# KiCad board panel_4_3.kicad_pcb (continued)
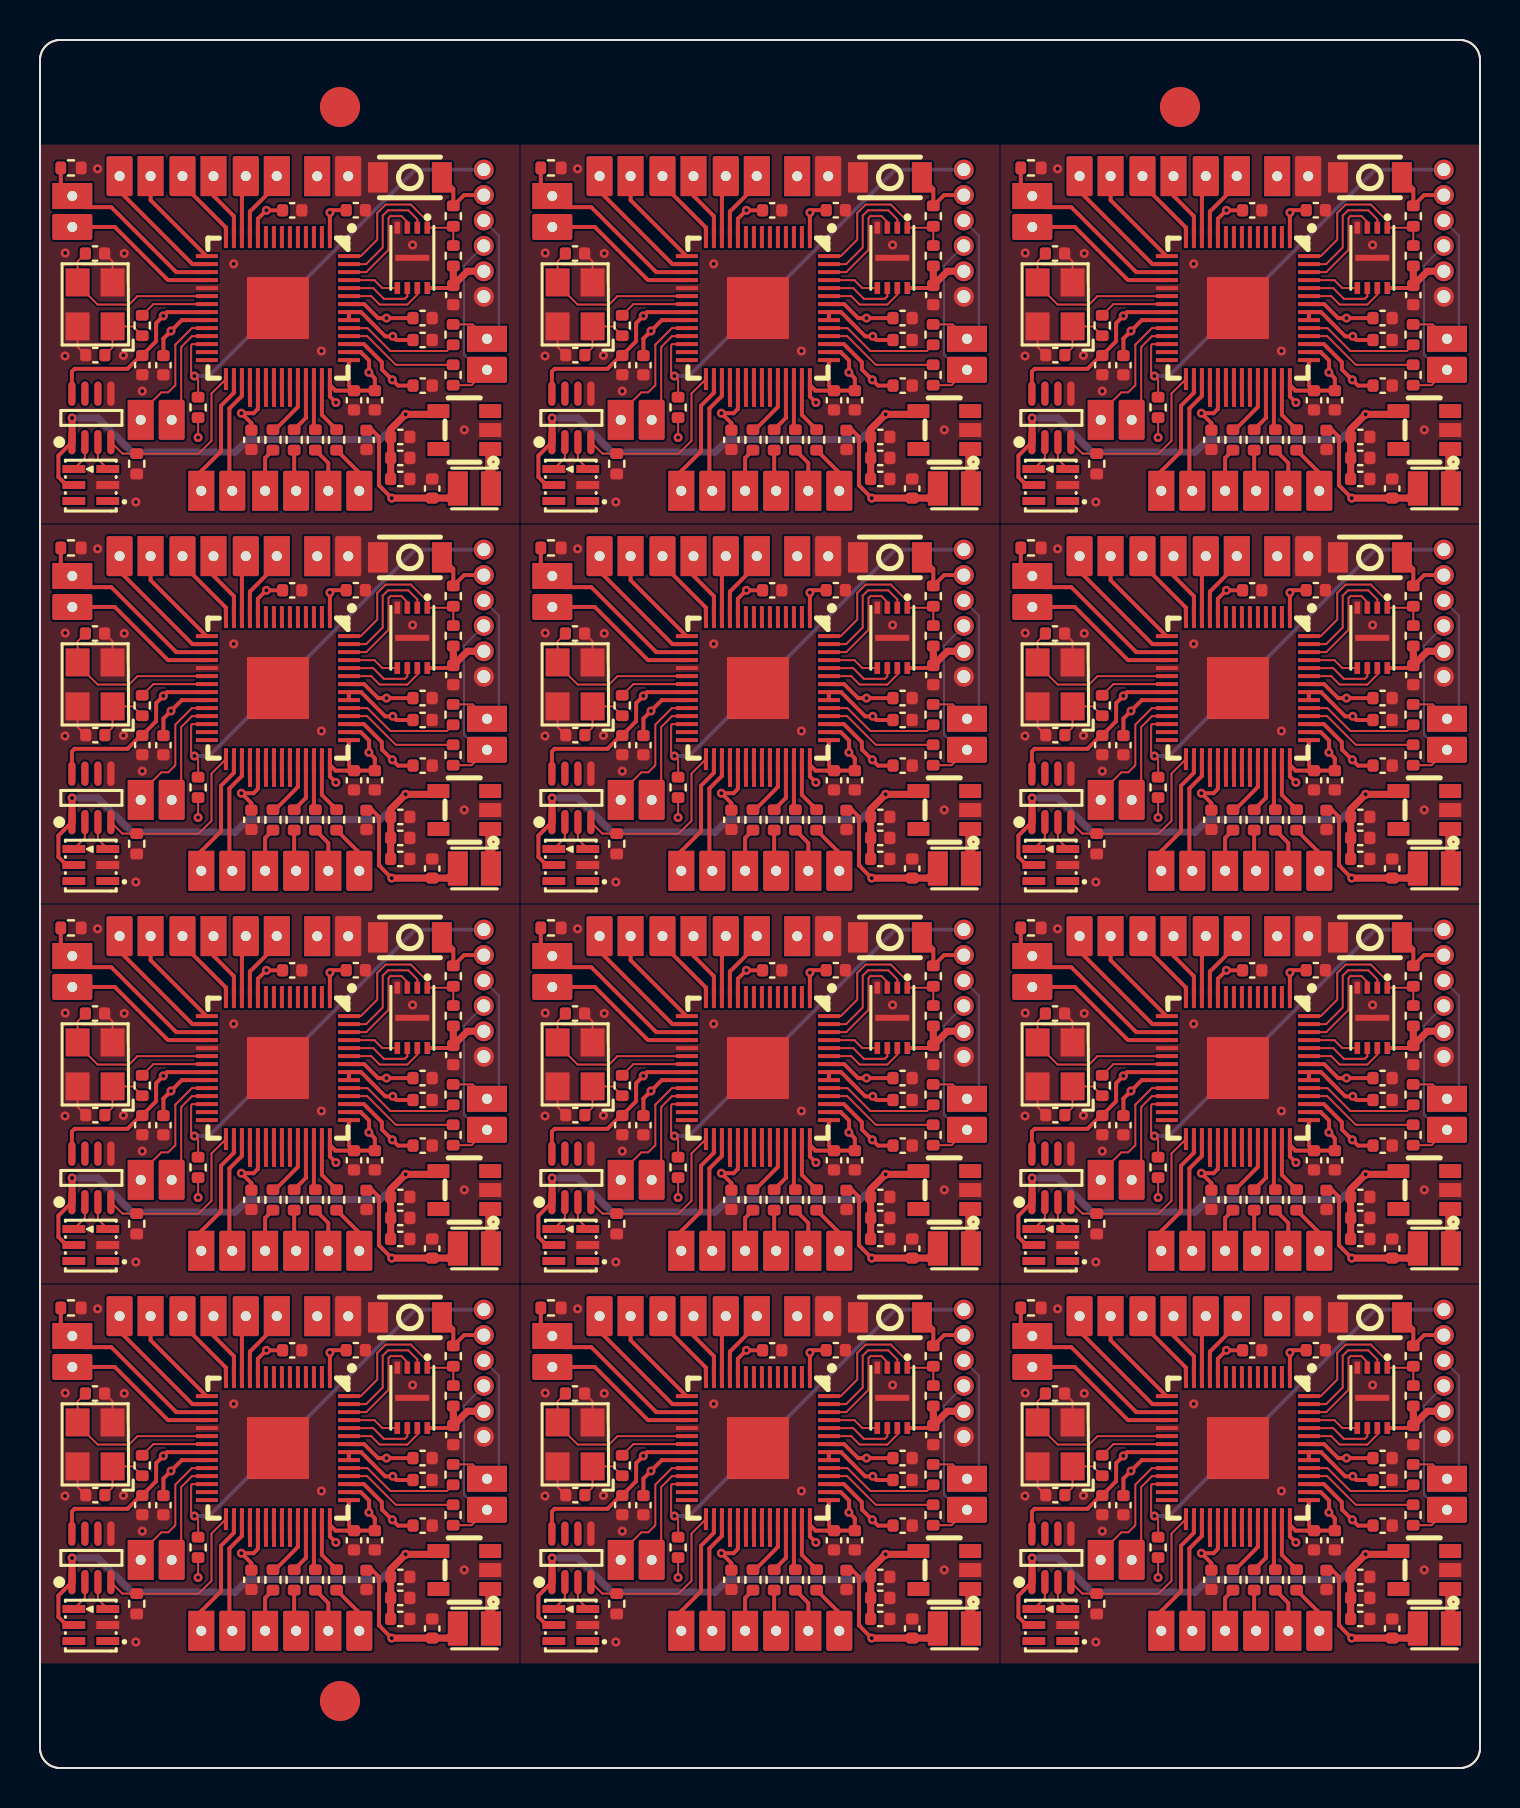
[diagram p0: board, top side]
## Nets (continued)
Board_10-PAD_24: J12#12.5 U1#4.36
Board_10-PAD_25: J12#12.6 U1#4.37
Board_10-QSPI_CS: R5#12.2 R6#10.2 U1#4.56 U2#5.1
Board_10-QSPI_SCK: U1#4.52 U2#5.6
Board_10-QSPI_SD0: U1#4.53 U2#5.5
Board_10-QSPI_SD1: U1#4.55 U2#5.2
Board_10-QSPI_SD2: U1#4.54 U2#5.3
Board_10-QSPI_SD3: U1#4.51 U2#5.7
Board_10-RST: J8#3.1 R2#7.2 U1#4.26
Board_10-unconnected-(LED1-CKO-Pad6): LED1#7.6
Board_10-unconnected-(LED1-SDO-Pad1): LED1#7.1
Board_10-unconnected-(U1-GPIO0-Pad2): U1#4.2
Board_10-unconnected-(U1-GPIO1-Pad3): U1#4.3
Board_10-unconnected-(U1-GPIO2-Pad4): U1#4.4
Board_10-unconnected-(U1-GPIO3-Pad5): U1#4.5
Board_10-unconnected-(U1-GPIO4-Pad6): U1#4.6
Board_10-unconnected-(U1-GPIO5-Pad7): U1#4.7
Board_10-unconnected-(U1-GPIO6-Pad8): U1#4.8
Board_10-unconnected-(U1-GPIO7-Pad9): U1#4.9
Board_10-unconnected-(U1-GPIO16-Pad27): U1#4.27
Board_10-unconnected-(U1-GPIO17-Pad28): U1#4.28
Board_10-unconnected-(U4-NC-Pad3): U4#6.3
Board_10-unconnected-(U4-NC-Pad5): U4#6.5
Board_10-XIN: C3#10.1 U1#4.20 X1#8.3
Board_10-XOUT: R1#8.2 U1#4.21
Board_11-+1V1: C2#10.1 C4#9.1 C5#8.1 U1#12.23 U1#12.45 U1#12.50
Board_11-+3V3: C6#6.2 C7#4.1 C8#3.1 C9#12.1 C10#10.1 C11#12.1 C12#11.1 C13#9.1 C14#12.1 C15#11.1 J1#4.1 J8#2.5 J12#5.2 L1#4.1 R2#12.1 R6#11.1 U1#12.1 U1#12.10 U1#12.22 U1#12.33 U1#12.42 U1#12.43 U1#12.44 U1#12.48 U1#12.49 U2#3.8 U3#5.8
Board_11-+5V: C16#2.1 C17#11.1 C18#3.1 LED1.5 U3#5.1 U4#4.4
Board_11-BOOT: J8#2.2 R5#10.1 SW1#7.1
Board_11-D+: J5#8.1 J8#2.3 R3#4.2
Board_11-D-: J5#8.2 J8#2.4 R4#5.2
Board_11-DBG_CLK: J7#7.1 U1#12.24
Board_11-DBG_DAT: J7#7.2 U1#12.25
Board_11-GND: C1#10.1 C2#10.2 C3#4.2 C4#9.2 C5#8.2 C6#6.1 C7#4.2 C8#3.2 C9#12.2 C10#10.2 C11#12.2 C12#11.2 C13#9.2 C14#12.2 C15#11.2 C16#2.2 C17#11.2 C18#3.2 J1#4.2 J8#2.6 LED1.2 R7#9.1 R12#7.2 SW1#7.2 U1#12.19 U1#12.57 U2#3.4 U2#3.9 U3#5.5 U4#4.2 X1#6.2 X1#6.4
Board_11-LED_CLK: U3#5.7
Board_11-LED_CLK_5V: LED1.4 U3#5.2
Board_11-LED_DATA: U3#5.6
Board_11-LED_DATA_5V: LED1.3 U3#5.3
Board_11-LED_EN: R7#9.2 U1#12.29 U3#5.4
Board_11-Net-(U1-GPIO26_ADC0): R8#2.1 U1#12.38
Board_11-Net-(U1-GPIO27_ADC1): R9.1 U1#12.39
Board_11-Net-(U1-GPIO28_ADC2): R10#10.1 U1#12.40
Board_11-Net-(U1-GPIO29_ADC3): R11#6.1 U1#12.41
Board_11-Net-(U1-USB_DM): R4#5.1 U1#12.46
Board_11-Net-(U1-USB_DP): R3#4.1 U1#12.47
Board_11-Net-(U4-SW): L1#4.2 U4#4.1
Board_11-Net-(X1-OSC1): C1#10.2 R1#10.1 X1#6.1
Board_11-NS_8: J10#12.1 U1#12.11
Board_11-NS_9: J10#12.2 U1#12.12
Board_11-NS_10: J9#4.1 U1#12.13
Board_11-NS_11: J9#4.2 U1#12.14
Board_11-NS_19: J11#3.1 U1#12.30
Board_11-NS_20: J11#3.2 U1#12.31
Board_11-NS_CLK: J3#8.2 R9.2
Board_11-NS_CMD: J4#11.1 R10#10.2
Board_11-NS_CPU: J2.2 U1#12.18
Board_11-NS_CPU_PD: J2.1 R12#7.1 U1#12.17
Board_11-NS_D0: J4#11.2 R11#6.2
Board_11-NS_RST: J3#8.1 R8#2.2
Board_11-NS_SCL: J6#5.2 U1#12.16
Board_11-NS_SDA: J6#5.1 U1#12.15
Board_11-PAD_21: J12#5.1 U1#12.32
Board_11-PAD_22: J12#5.3 U1#12.34
Board_11-PAD_23: J12#5.4 U1#12.35
Board_11-PAD_24: J12#5.5 U1#12.36
Board_11-PAD_25: J12#5.6 U1#12.37
Board_11-QSPI_CS: R5#10.2 R6#11.2 U1#12.56 U2#3.1
Board_11-QSPI_SCK: U1#12.52 U2#3.6
Board_11-QSPI_SD0: U1#12.53 U2#3.5
Board_11-QSPI_SD1: U1#12.55 U2#3.2
Board_11-QSPI_SD2: U1#12.54 U2#3.3
Board_11-QSPI_SD3: U1#12.51 U2#3.7
Board_11-RST: J8#2.1 R2#12.2 U1#12.26
Board_11-unconnected-(LED1-CKO-Pad6): LED1.6
Board_11-unconnected-(LED1-SDO-Pad1): LED1.1
Board_11-unconnected-(U1-GPIO0-Pad2): U1#12.2
Board_11-unconnected-(U1-GPIO1-Pad3): U1#12.3
Board_11-unconnected-(U1-GPIO2-Pad4): U1#12.4
Board_11-unconnected-(U1-GPIO3-Pad5): U1#12.5
Board_11-unconnected-(U1-GPIO4-Pad6): U1#12.6
Board_11-unconnected-(U1-GPIO5-Pad7): U1#12.7
Board_11-unconnected-(U1-GPIO6-Pad8): U1#12.8
Board_11-unconnected-(U1-GPIO7-Pad9): U1#12.9
Board_11-unconnected-(U1-GPIO16-Pad27): U1#12.27
Board_11-unconnected-(U1-GPIO17-Pad28): U1#12.28
Board_11-unconnected-(U4-NC-Pad3): U4#4.3
Board_11-unconnected-(U4-NC-Pad5): U4#4.5
Board_11-XIN: C3#4.1 U1#12.20 X1#6.3
Board_11-XOUT: R1#10.2 U1#12.21

## Via types
v1: diameter 0.45, hole 0.2, Top to Bottom, 312 vias

## Routing (per net, layer and track width the routed paths; a pad name or vN(x,y) marks a point on that pad's centre or on a via; arc(x,y) is an arc through that point)
Board_0-+1V1: length 25.7
  Top w0.2: U1#7.45 16.19,71.2 17.09,70.29 17.09,69.93 17.61,69.41 v1(17.62,69.41) 17.62,69.41 17.9,69.12 C5#12.1 ; U1#7.50 16.21,73.2 16.91,72.5 v1(17.32,72.5) C2.1 ; U1#7.23 7.09,72.4 v1(6.55,71.85) 6.17,71.47 C4#5.1
  In1.Cu w0.358: v1(6.55,71.85) 7.19,72.5 v1(17.32,72.5) 16.98,72.15 16.98,70.78 17.62,70.15 v1(17.62,69.41)
Board_0-+3V3: length 42.3
  Top w0.1: v1(7.91,66.53) R2#8.1
  Top w0.2: C9#8.1 15.44,69.12 U1#7.43 ; U3#8.8 1.59,69.83 1.73,69.96 4.38,69.96 5.04,70.62 ; 14.5,69.16 14.78,68.87 16.74,68.87 16.74,69.49 v1(16.44,69.78) 16.46,69.79 16.46,70.38 16.04,70.8 15.44,70.8 ; v1(14.8,68.28) 14.5,68.58 14.5,69.45 ; U1#7.33 10.89,67.96 10.68,67.74 v1(10.07,67.74) 10.57,67.24 C7#12.1 ; C8#5.1 16.62,66.89 16.95,66.56 16.95,64.13 v1(17.59,63.5) ; C12#5.1 v1(11.32,77.89) 10.89,77.46 U1#7.10 ; 14.5,76.55 v1(14.5,77.77) 14.61,77.89 C11#3.1 ; C10#4.1 17.82,71.4 v1(17.64,71.59) 17.26,71.59 16.05,72.8 15.44,72.8 U1#7.48 ; 20.54,74 U2#2.8 ; 8.34,72.8 6.36,72.8 v1(6.17,72.61) 5.81,72.25 5.81,71.34 5.11,70.65
  Top w0.358: R6#4.1 C14#2.1 21.38,74.84 J8#7.5 ; L1#3.1 20.41,63.5 C15#10.1 v1(17.59,63.5)
Board_0-+5V: length 27.2
  Top w0.2: U3#8.1 0.92,65.62 0.92,64.55 1.32,64.15
  Top w0.358: U3#8.1 1.61,66.3 v1(1.61,67.5) ; C18.1 C17#10.1 C16#5.1 17.53,66.94 v1(18.28,67.69) 19.93,67.69
  Bottom w0.358: v1(18.28,67.69) 17.02,66.43 10.39,66.43 9.75,65.8 4.6,65.8 2.89,67.5 v1(1.61,67.5)
Board_0-BOOT: length 3.4
  Top w0.2: J8#7.2 21.21,78.65 20.66,78.11 20.66,78.96 SW1#6.1
Board_0-D+: length 7.6
  Top w0.1: J5#2.1 21.63,72.18 R3#9.2
  Bottom w0.1: J8#7.3 22.94,76.63 22.94,72.05
Board_0-D-: length 8.9
  Top w0.1: J5#2.2 21.58,69.14 R4.2
  Bottom w0.1: 21.95,69.91 21.2,70.66 21.2,75.12 J8#7.4
Board_0-DBG_CLK: length 6.6
  Top w0.1: J7#9.1 5.03,67.75 6.06,68.78 6.41,68.78 6.77,69.14 6.77,71.17 7.59,72 U1#7.24
Board_0-DBG_DAT: length 5.4
  Top w0.1: J7#9.2 7.06,67.88 7.06,71.05 7.6,71.59 U1#7.25
Board_0-GND: length 3.2
  Top w0.1: X1#11.2 3.63,75.33 C3#7.2 ; X1#11.4 1.88,71.05 C1#3.1
  vias: v1(1.26,75.75) v1(1.25,70.6) v1(2.88,79.96) v1(4.21,75.73) v1(4.17,70.63) v1(4.8,63.3) v1(5.11,68.84) v1(9.69,75.21) v1(14.07,70.85) v1(18.63,76.15) v1(21.21,66.91)
Board_0-LED_CLK_5V: length 1.5
  Top w0.1: LED1#2.4 2.25,65.5 2.25,66.23
Board_0-LED_DATA_5V: length 1.5
  Top w0.1: LED1#2.3 2.89,65.44 2.89,66.23
Board_0-LED_EN: length 8.9
  Top w0.1: U1#7.29 8.58,68.73 8.58,66.36 7.94,65.72 4.12,65.72 U3#8.4
Board_0-Net-(U1-GPIO26_ADC0): length 3.1
  Top w0.2: U1#7.38 12.89,68.06 11.75,66.92 R8#3.1
Board_0-Net-(U1-GPIO27_ADC1): length 2.8
  Top w0.2: R9#3.1 13.3,67.5 U1#7.39
Board_0-Net-(U1-GPIO28_ADC2): length 2.6
  Top w0.2: R10.1 13.69,66.99 U1#7.40
Board_0-Net-(U1-GPIO29_ADC3): length 2.8
  Top w0.2: U1#7.41 14.09,67.65 R11.1
Board_0-Net-(U1-USB_DM): length 5.8
  Top w0.1: U1#7.46 16.36,71.59 17.79,70.16 R4.1
Board_0-Net-(U1-USB_DP): length 5.8
  Top w0.1: R3#9.1 20.35,70.85 17.52,70.85 16.37,72 U1#7.47
Board_0-Net-(U4-SW): length 1.8
  Top w0.5: 22.51,65.78 22.51,64.01
Board_0-Net-(X1-OSC1): length 3.3
  Top w0.1: C1#3.2 3.63,71.03 X1#11.1 4.64,72.08 R1#6.1
Board_0-NS_8: length 3.6
  Top w0.2: J10#10.1 11.84,79.17 10.5,77.82 10.5,76.55
Board_0-NS_9: length 3.1
  Top w0.2: J10#10.2 10.09,79.4 U1#7.12
Board_0-NS_10: length 3.5
  Top w0.2: J9#10.1 8.68,78.61 9.69,77.59 U1#7.13
Board_0-NS_11: length 3.5
  Top w0.2: 7.13,79.18 9.3,77.02 U1#7.14
Board_0-NS_19: length 6.3
  Top w0.2: J11#9.1 8.06,64.85 9.05,65.84 9.05,68.12 9.69,68.76 U1#7.30
Board_0-NS_20: length 5.9
  Top w0.2: U1#7.31 10.09,68.6 9.47,67.98 9.47,64 J11#9.2
Board_0-NS_CLK: length 2.1
  Top w0.2: J3#3.2 12.71,63.96 R9#3.2
Board_0-NS_CMD: length 2.3
  Top w0.2: R10.2 14.42,65.25 J4#8.1
Board_0-NS_CPU: length 7.8
  Top w0.2: U1#7.18 6.39,74.4 3.74,77.05 J2#2.2
Board_0-NS_CPU_PD: length 9.9
  Top w0.2: R12#5.1 1.04,79.18 J2#2.1 2.17,78.05 3.56,78.05 6.81,74.8 U1#7.17
Board_0-NS_D0: length 2.5
  Top w0.2: R11.2 15.97,64.76 J4#8.2
Board_0-NS_RST: length 2.2
  Top w0.2: R8#3.2 11.25,65.5 J3#3.1
Board_0-NS_SCL: length 5.9
  Top w0.2: 8.34,75.2 7.61,75.2 3.98,78.83
Board_0-NS_SDA: length 5.2
  Top w0.2: 8.33,75.59 5.53,78.4 J6#11.1
Board_0-PAD_21: length 1
  Top w0.2: 10.5,69.45 10.5,68.41
Board_0-PAD_22: length 1
  Top w0.2: U1#7.34 11.3,68.41
Board_0-PAD_23: length 1
  Top w0.2: U1#7.35 11.69,68.41
Board_0-PAD_24: length 1
  Top w0.2: U1#7.36 12.09,68.41
Board_0-PAD_25: length 1
  Top w0.2: 12.5,69.45 12.5,68.41
Board_0-QSPI_CS: length 8.6
  Top w0.1: R6#4.2 20.66,77.01 U2#2.1 19.37,77.35 18.54,78.18 17.28,78.18 16.86,77.75 16.86,76.42 16.03,75.59 U1#7.56
Board_0-QSPI_SCK: length 3.6
  Top w0.1: U2#2.6 18.37,73.58 18.25,73.46 17.19,73.46 16.66,74 U1#7.52
Board_0-QSPI_SD0: length 2.6
  Top w0.1: U1#7.53 16.72,74.4 17.11,74 U2#2.5
Board_0-QSPI_SD1: length 6.1
  Top w0.1: 15.44,75.2 16.3,75.2 17.13,76.03 17.13,77.61 17.41,77.89 18.41,77.89 18.87,77.43 U2#2.2
Board_0-QSPI_SD2: length 5.4
  Top w0.1: U2#2.3 18.37,77.3 18.07,77.59 17.53,77.59 17.43,77.49 17.43,75.91 16.31,74.8 U1#7.54
Board_0-QSPI_SD3: length 4.1
  Top w0.1: U2#2.7 18.87,73.67 18.37,73.17 16.98,73.17 16.56,73.59 U1#7.51
Board_0-RST: length 22.3
  Top w0.1: U1#7.26 7.61,71.2 7.56,71.14 7.56,69.77 v1(7.72,69.6) 7.91,69.42 R2#8.2
  Bottom w0.2: J8#7.1 18.77,79.92 8.45,69.6 v1(7.72,69.6)
Board_0-XIN: length 8.7
  Top w0.1: C3#7.1 1.88,75.34 X1#11.3 ; 1.88,74.18 2.88,73.18 4.45,73.18 4.88,73.59 U1#7.20
Board_0-XOUT: length 3.5
  Top w0.1: U1#7.21 5.67,73.2 R1#6.2
Board_1-+1V1: length 25.7
  Top w0.2: C2#2.1 v1(41.32,72.5) 40.91,72.5 40.21,73.2 39.44,73.2 ; C5#6.1 41.9,69.12 41.62,69.41 v1(41.62,69.41) 41.61,69.41 41.09,69.93 41.09,70.29 40.19,71.2 39.44,71.2 ; C4#7.1 30.17,71.47 v1(30.55,71.85) 31.09,72.4 U1#11.23
  In1.Cu w0.358: v1(41.62,69.41) 41.62,70.15 40.98,70.78 40.98,72.15 v1(41.32,72.5) 31.19,72.5 v1(30.55,71.85)
Board_1-+3V3: length 42.3
  Top w0.1: v1(31.91,66.53) R2.1
  Top w0.2: U1#11.33 34.9,67.96 34.68,67.74 v1(34.07,67.74) 34.57,67.24 C7#3.1 ; C8#10.1 40.62,66.89 40.95,66.56 40.95,64.13 v1(41.59,63.5) ; 44.54,74 U2#9.8 ; 29.12,70.65 29.81,71.34 29.81,72.25 v1(30.16,72.61) 30.35,72.8 32.34,72.8 ; C12#3.1 v1(35.32,77.89) 34.9,77.46 U1#11.10 ; U3#3.8 25.59,69.83 25.73,69.96 28.38,69.96 29.04,70.62 ; 39.44,70.8 40.04,70.8 40.46,70.38 40.46,69.79 v1(40.44,69.78) 40.74,69.49 40.74,68.87 38.78,68.87 38.5,69.16 ; U1#11.1 v1(38.5,77.77) 38.62,77.89 C11#6.1 ; 39.44,72.4 39.44,72.8 40.05,72.8 41.26,71.59 v1(41.64,71.59) 41.82,71.4 C10#11.1 ; 39.44,70.4 39.44,69.12 C9#7.1 ; v1(38.79,68.28) 38.5,68.58 U1#11.42
  Top w0.358: J8#9.5 45.38,74.84 C14#4.1 R6#7.1 ; L1#10.1 44.41,63.5 C15#12.1 v1(41.59,63.5)
Board_1-+5V: length 27.2
  Top w0.2: 25.32,64.15 24.92,64.55 24.92,65.62 U3#3.1
  Top w0.358: v1(25.6,67.5) 25.6,66.3 U3#3.1 ; C18#11.1 C17#4.1 C16#11.1 41.53,66.94 v1(42.28,67.69) 43.93,67.69
  Bottom w0.358: v1(25.6,67.5) 26.9,67.5 28.6,65.8 33.75,65.8 34.38,66.43 41.02,66.43 v1(42.28,67.69)
Board_1-BOOT: length 3.4
  Top w0.2: SW1#5.1 44.66,78.96 44.66,78.11 45.21,78.65 J8#9.2
Board_1-D+: length 7.6
  Top w0.1: J5#11.1 45.63,72.18 R3#12.2
  Bottom w0.1: 46.94,72.05 46.94,76.63 J8#9.3
Board_1-D-: length 8.9
  Top w0.1: R4#4.2 45.58,69.14 J5#11.2
  Bottom w0.1: J8#9.4 45.2,75.12 45.2,70.66 45.95,69.91
Board_1-DBG_CLK: length 6.6
  Top w0.1: U1#11.24 31.59,72 30.76,71.17 30.76,69.14 30.41,68.78 30.06,68.78 29.03,67.75 J7#11.1
Board_1-DBG_DAT: length 5.4
  Top w0.1: J7#11.2 31.06,67.88 31.06,71.05 31.6,71.59 U1#11.25
Board_1-GND: length 3.2
  Top w0.1: X1#3.2 27.63,75.33 C3.2 ; X1#3.4 25.88,71.05 C1#12.1
  vias: v1(25.26,75.75) v1(25.25,70.6) v1(26.88,79.96) v1(28.21,75.73) v1(28.17,70.63) v1(28.79,63.3) v1(29.12,68.84) v1(33.69,75.21) v1(38.07,70.85) v1(42.63,76.15) v1(45.21,66.91)
Board_1-LED_CLK_5V: length 1.5
  Top w0.1: 26.25,66.23 26.25,65.5 LED1#9.4
Board_1-LED_DATA_5V: length 1.5
  Top w0.1: 26.9,66.23 26.9,65.44 LED1#9.3
Board_1-LED_EN: length 8.9
  Top w0.1: U1#11.29 32.57,68.73 32.57,66.36 31.94,65.72 28.12,65.72 U3#3.4
Board_1-Net-(U1-GPIO26_ADC0): length 3.1
  Top w0.2: U1#11.38 36.9,68.06 35.75,66.92 R8#10.1
Board_1-Net-(U1-GPIO27_ADC1): length 2.8
  Top w0.2: U1#11.39 37.29,67.5 R9#6.1
Board_1-Net-(U1-GPIO28_ADC2): length 2.6
  Top w0.2: R10#8.1 37.69,66.99 U1#11.40
Board_1-Net-(U1-GPIO29_ADC3): length 2.8
  Top w0.2: U1#11.41 38.09,67.65 R11#8.1
Board_1-Net-(U1-USB_DM): length 5.8
  Top w0.1: R4#4.1 41.79,70.16 40.36,71.59 39.44,71.59
Board_1-Net-(U1-USB_DP): length 5.8
  Top w0.1: R3#12.1 44.35,70.85 41.52,70.85 40.37,72 39.44,72
Board_1-Net-(U4-SW): length 1.8
  Top w0.5: 46.51,65.78 46.51,64.01
Board_1-Net-(X1-OSC1): length 3.3
  Top w0.1: R1#3.1 28.65,72.08 X1#3.1 27.63,71.03 C1#12.2
Board_1-NS_8: length 3.6
  Top w0.2: J10#5.1 35.84,79.17 34.5,77.82 U1#11.11
Board_1-NS_9: length 3.1
  Top w0.2: U1#11.12 34.09,79.4 J10#5.2
Board_1-NS_10: length 3.5
  Top w0.2: U1#11.13 33.69,77.59 32.68,78.61 J9#6.1
Board_1-NS_11: length 3.5
  Top w0.2: U1#11.14 33.29,77.02 31.13,79.18
Board_1-NS_19: length 6.3
  Top w0.2: J11#2.1 32.06,64.85 33.05,65.84 33.05,68.12 33.69,68.76 U1#11.30
Board_1-NS_20: length 5.9
  Top w0.2: J11#2.2 33.47,64 33.47,67.98 34.09,68.6 U1#11.31
Board_1-NS_CLK: length 2.1
  Top w0.2: R9#6.2 36.71,63.96 J3#6.2
Board_1-NS_CMD: length 2.3
  Top w0.2: R10#8.2 38.41,65.25 J4#4.1
Board_1-NS_CPU: length 7.8
  Top w0.2: U1#11.18 30.4,74.4 27.74,77.05 J2#4.2
Board_1-NS_CPU_PD: length 9.9
  Top w0.2: R12#8.1 25.04,79.18 J2#4.1 26.17,78.05 27.56,78.05 30.81,74.8 U1#11.17
Board_1-NS_D0: length 2.5
  Top w0.2: J4#4.2 39.97,64.76 R11#8.2
Board_1-NS_RST: length 2.2
  Top w0.2: J3#6.1 35.25,65.5 R8#10.2
Board_1-NS_SCL: length 5.9
  Top w0.2: 27.98,78.83 31.62,75.2 32.34,75.2
Board_1-NS_SDA: length 5.2
  Top w0.2: J6#7.1 29.53,78.4 32.33,75.59
Board_1-PAD_21: length 1
  Top w0.2: U1#11.32 34.5,68.41
Board_1-PAD_22: length 1
  Top w0.2: U1#11.34 35.29,68.41
Board_1-PAD_23: length 1
  Top w0.2: U1#11.35 35.69,68.41
Board_1-PAD_24: length 1
  Top w0.2: U1#11.36 36.09,68.41
Board_1-PAD_25: length 1
  Top w0.2: U1#11.37 36.5,68.41
Board_1-QSPI_CS: length 8.6
  Top w0.1: 39.44,75.59 40.03,75.59 40.86,76.42 40.86,77.75 41.28,78.18 42.54,78.18 43.37,77.35 U2#9.1 44.66,77.01 R6#7.2
Board_1-QSPI_SCK: length 3.6
  Top w0.1: U2#9.6 42.37,73.58 42.25,73.46 41.19,73.46 40.66,74 39.44,74
Board_1-QSPI_SD0: length 2.6
  Top w0.1: U2#9.5 41.11,74 40.72,74.4 39.44,74.4
Board_1-QSPI_SD1: length 6.1
  Top w0.1: U2#9.2 42.87,77.43 42.41,77.89 41.41,77.89 41.13,77.61 41.13,76.03 40.3,75.2 39.44,75.2
Board_1-QSPI_SD2: length 5.4
  Top w0.1: U2#9.3 42.37,77.3 42.07,77.59 41.53,77.59 41.43,77.49 41.43,75.91 40.31,74.8 39.44,74.8
Board_1-QSPI_SD3: length 4.1
  Top w0.1: U2#9.7 42.87,73.67 42.37,73.17 40.98,73.17 40.56,73.59 39.44,73.59
Board_1-RST: length 22.3
  Top w0.1: U1#11.26 31.62,71.2 31.56,71.14 31.56,69.77 v1(31.72,69.6) 31.91,69.42 R2.2
  Bottom w0.2: J8#9.1 42.77,79.92 32.45,69.6 v1(31.72,69.6)
Board_1-XIN: length 8.7
  Top w0.1: U1#11.20 28.88,73.59 28.46,73.18 26.88,73.18 25.88,74.18 ; X1#3.3 25.88,75.34 C3.1
Board_1-XOUT: length 3.5
  Top w0.1: U1#11.21 29.67,73.2 R1#3.2
Board_2-+1V1: length 25.7
  Top w0.2: 63.44,73.2 64.21,73.2 64.91,72.5 v1(65.32,72.5) C2#12.1 ; 63.44,71.2 64.19,71.2 65.09,70.29 65.09,69.93 65.61,69.41 v1(65.62,69.41) 65.62,69.41 65.9,69.12 C5#3.1 ; U1#9.23 55.09,72.4 v1(54.55,71.85) 54.17,71.47 C4#10.1
  In1.Cu w0.358: v1(54.55,71.85) 55.19,72.5 v1(65.32,72.5) 64.98,72.15 64.98,70.78 65.62,70.15 v1(65.62,69.41)
Board_2-+3V3: length 42.3
  Top w0.1: v1(55.91,66.53) R2#4.1
  Top w0.2: 63.44,72.4 63.44,72.8 64.05,72.8 65.26,71.59 v1(65.64,71.59) 65.82,71.4 C10#6.1 ; 68.54,74 U2#7.8 ; 56.34,72.8 54.35,72.8 v1(54.16,72.61) 53.81,72.25 53.81,71.34 53.12,70.65 ; C12.1 v1(59.32,77.89) 58.9,77.46 U1#9.10 ; v1(65.59,63.5) 64.95,64.13 64.95,66.56 64.62,66.89 C8#4.1 ; 63.44,70.4 63.44,69.12 C9#2.1 ; U1#9.33 58.9,67.96 58.68,67.74 v1(58.07,67.74) 58.57,67.24 C7#5.1 ; 62.5,69.16 62.78,68.87 64.74,68.87 64.74,69.49 v1(64.44,69.78) 64.46,69.79 64.46,70.38 64.04,70.8 63.44,70.8 ; C11#4.1 62.62,77.89 v1(62.5,77.77) U1#9.1 ; U3#9.8 49.59,69.83 49.73,69.96 52.38,69.96 53.04,70.62 ; U1#9.42 62.5,68.58 v1(62.79,68.28)
  Top w0.358: J8.5 69.38,74.84 C14#5.1 R6.1 ; v1(65.59,63.5) C15#6.1 68.41,63.5 L1#5.1
Board_2-+5V: length 27.2
  Top w0.2: U3#9.1 48.92,65.62 48.92,64.55 49.32,64.15
  Top w0.358: U3#9.1 49.6,66.3 v1(49.6,67.5) ; 67.93,67.69 v1(66.28,67.69) 65.53,66.94 C16#9.1 C17#9.1 C18#7.1
  Bottom w0.358: v1(49.6,67.5) 50.9,67.5 52.6,65.8 57.75,65.8 58.38,66.43 65.02,66.43 v1(66.28,67.69)
Board_2-BOOT: length 3.4
  Top w0.2: J8.2 69.21,78.65 68.66,78.11 68.66,78.96 SW1#8.1
Board_2-D+: length 7.6
  Top w0.1: J5#5.1 69.63,72.18 R3#10.2
  Bottom w0.1: J8.3 70.94,76.63 70.94,72.05
Board_2-D-: length 8.9
  Top w0.1: R4#9.2 69.58,69.14 J5#5.2
  Bottom w0.1: 69.95,69.91 69.2,70.66 69.2,75.12 J8.4
Board_2-DBG_CLK: length 6.6
  Top w0.1: J7#12.1 53.03,67.75 54.06,68.78 54.41,68.78 54.76,69.14 54.76,71.17 55.59,72 U1#9.24
Board_2-DBG_DAT: length 5.4
  Top w0.1: U1#9.25 55.6,71.59 55.06,71.05 55.06,67.88 J7#12.2
Board_2-GND: length 3.2
  Top w0.1: X1#9.2 51.63,75.33 C3#11.2 ; C1#2.1 49.88,71.05 X1#9.4
  vias: v1(49.26,75.75) v1(49.25,70.6) v1(50.88,79.96) v1(52.21,75.73) v1(52.17,70.63) v1(52.79,63.3) v1(53.12,68.84) v1(57.69,75.21) v1(62.07,70.85) v1(66.63,76.15) v1(69.21,66.91)
Board_2-LED_CLK_5V: length 1.5
  Top w0.1: LED1#11.4 50.25,65.5 50.25,66.23
Board_2-LED_DATA_5V: length 1.5
  Top w0.1: 50.9,66.23 50.9,65.44 LED1#11.3
Board_2-LED_EN: length 8.9
  Top w0.1: U3#9.4 52.12,65.72 55.94,65.72 56.57,66.36 56.57,68.73 U1#9.29
Board_2-Net-(U1-GPIO26_ADC0): length 3.1
  Top w0.2: R8#6.1 59.75,66.92 60.9,68.06 U1#9.38
Board_2-Net-(U1-GPIO27_ADC1): length 2.8
  Top w0.2: U1#9.39 61.29,67.5 R9#11.1
Board_2-Net-(U1-GPIO28_ADC2): length 2.6
  Top w0.2: R10#4.1 61.69,66.99 U1#9.40
Board_2-Net-(U1-GPIO29_ADC3): length 2.8
  Top w0.2: R11#12.1 62.09,67.65 U1#9.41
Board_2-Net-(U1-USB_DM): length 5.8
  Top w0.1: R4#9.1 65.79,70.16 64.36,71.59 63.44,71.59
Board_2-Net-(U1-USB_DP): length 5.8
  Top w0.1: R3#10.1 68.35,70.85 65.52,70.85 64.37,72 63.44,72
Board_2-Net-(U4-SW): length 1.8
  Top w0.5: 70.51,65.78 70.51,64.01
Board_2-Net-(X1-OSC1): length 3.3
  Top w0.1: C1#2.2 51.63,71.03 X1#9.1 52.65,72.08 R1#9.1
Board_2-NS_8: length 3.6
  Top w0.2: J10.1 59.84,79.17 58.5,77.82 U1#9.11
Board_2-NS_9: length 3.1
  Top w0.2: U1#9.12 58.09,79.4 J10.2
Board_2-NS_10: length 3.5
  Top w0.2: J9#2.1 56.68,78.61 57.69,77.59 U1#9.13
Board_2-NS_11: length 3.5
  Top w0.2: 55.13,79.18 57.29,77.02 U1#9.14
Board_2-NS_19: length 6.3
  Top w0.2: U1#9.30 57.69,68.76 57.05,68.12 57.05,65.84 56.06,64.85 J11#7.1
Board_2-NS_20: length 5.9
  Top w0.2: J11#7.2 57.47,64 57.47,67.98 58.09,68.6 U1#9.31
Board_2-NS_CLK: length 2.1
  Top w0.2: J3#11.2 60.71,63.96 R9#11.2
Board_2-NS_CMD: length 2.3
  Top w0.2: R10#4.2 62.41,65.25 J4#12.1
Board_2-NS_CPU: length 7.8
  Top w0.2: J2#7.2 51.74,77.05 54.4,74.4 U1#9.18
Board_2-NS_CPU_PD: length 9.9
  Top w0.2: R12#10.1 49.04,79.18 J2#7.1 50.17,78.05 51.56,78.05 54.81,74.8 U1#9.17
Board_2-NS_D0: length 2.5
  Top w0.2: R11#12.2 63.97,64.76 J4#12.2
Board_2-NS_RST: length 2.2
  Top w0.2: R8#6.2 59.25,65.5 J3#11.1
Board_2-NS_SCL: length 5.9
  Top w0.2: 51.98,78.83 55.62,75.2 56.34,75.2
Board_2-NS_SDA: length 5.2
  Top w0.2: J6.1 53.53,78.4 56.33,75.59
Board_2-PAD_21: length 1
  Top w0.2: U1#9.32 58.5,68.41
Board_2-PAD_22: length 1
  Top w0.2: U1#9.34 59.29,68.41
Board_2-PAD_23: length 1
  Top w0.2: U1#9.35 59.69,68.41
Board_2-PAD_24: length 1
  Top w0.2: U1#9.36 60.09,68.41
Board_2-PAD_25: length 1
  Top w0.2: U1#9.37 60.5,68.41
Board_2-QSPI_CS: length 8.6
  Top w0.1: R6.2 68.66,77.01 U2#7.1 67.37,77.35 66.54,78.18 65.28,78.18 64.86,77.75 64.86,76.42 64.03,75.59 63.44,75.59
Board_2-QSPI_SCK: length 3.6
  Top w0.1: U2#7.6 66.37,73.58 66.25,73.46 65.19,73.46 64.66,74 63.44,74
Board_2-QSPI_SD0: length 2.6
  Top w0.1: U2#7.5 65.11,74 64.72,74.4 63.44,74.4
Board_2-QSPI_SD1: length 6.1
  Top w0.1: U2#7.2 66.87,77.43 66.41,77.89 65.41,77.89 65.13,77.61 65.13,76.03 64.3,75.2 63.44,75.2
Board_2-QSPI_SD2: length 5.4
  Top w0.1: 63.44,74.8 64.31,74.8 65.43,75.91 65.43,77.49 65.53,77.59 66.07,77.59 66.37,77.3 U2#7.3
Board_2-QSPI_SD3: length 4.1
  Top w0.1: U2#7.7 66.87,73.67 66.37,73.17 64.98,73.17 64.56,73.59 63.44,73.59
Board_2-RST: length 22.3
  Top w0.1: R2#4.2 55.91,69.42 v1(55.72,69.6) 55.56,69.77 55.56,71.14 55.62,71.2 U1#9.26
  Bottom w0.2: J8.1 66.77,79.92 56.45,69.6 v1(55.72,69.6)
Board_2-XIN: length 8.7
  Top w0.1: U1#9.20 52.88,73.59 52.46,73.18 50.88,73.18 49.88,74.18 ; X1#9.3 49.88,75.34 C3#11.1
Board_2-XOUT: length 3.5
  Top w0.1: U1#9.21 53.67,73.2 R1#9.2
Board_3-+1V1: length 25.7
  Top w0.2: U1#3.50 16.21,54.2 16.91,53.5 v1(17.32,53.5) C2#5.1 ; U1#3.23 7.09,53.4 v1(6.55,52.85) 6.17,52.47 C4#4.1 ; C5#5.1 17.9,50.12 17.62,50.41 v1(17.62,50.41) 17.61,50.41 17.09,50.93 17.09,51.29 16.19,52.2 U1#3.45
  In1.Cu w0.358: v1(6.55,52.85) 7.19,53.5 v1(17.32,53.5) 16.98,53.15 16.98,51.79 17.62,51.15 v1(17.62,50.41)
Board_3-+3V3: length 42.3
  Top w0.1: v1(7.91,47.53) R2#11.1
  Top w0.2: 14.5,50.45 14.5,49.58 v1(14.8,49.28) ; U3#4.8 1.59,50.83 1.73,50.96 4.38,50.96 5.04,51.63 ; U1#3.43 15.44,50.12 C9#11.1 ; U1#3.10 10.89,58.46 v1(11.32,58.89) C12#4.1 ; C7#10.1 10.57,48.24 v1(10.07,48.74) 10.68,48.74 10.89,48.96 U1#3.33 ; 15.44,51.8 16.04,51.8 16.46,51.38 16.46,50.79 v1(16.44,50.78) 16.74,50.49 16.74,49.87 14.78,49.87 14.5,50.16 ; 20.54,55 U2.8 ; C8#11.1 16.62,47.89 16.95,47.56 16.95,45.13 v1(17.59,44.5) ; C11#11.1 14.61,58.89 v1(14.5,58.77) 14.5,57.55 ; 5.11,51.65 5.81,52.34 5.81,53.25 v1(6.17,53.61) 6.36,53.8 8.34,53.8 ; U1#3.48 15.44,53.8 16.05,53.8 17.26,52.59 v1(17.64,52.59) 17.82,52.4 C10#5.1
  Top w0.358: v1(17.59,44.5) C15#4.1 20.41,44.5 L1#6.1 ; R6#2.1 C14#11.1 21.38,55.84 J8#10.5
Board_3-+5V: length 27.2
  Top w0.2: 1.32,45.15 0.92,45.55 0.92,46.62 U3#4.1
  Top w0.358: v1(1.61,48.5) 1.61,47.3 U3#4.1 ; 19.93,48.69 v1(18.28,48.69) 17.53,47.94 C16#8.1 C17#7.1 C18#2.1
  Bottom w0.358: v1(1.61,48.5) 2.89,48.5 4.6,46.8 9.75,46.8 10.39,47.43 17.02,47.43 v1(18.28,48.69)
Board_3-BOOT: length 3.4
  Top w0.2: J8#10.2 21.21,59.65 R5#8.1 20.66,59.96 SW1#4.1
Board_3-D+: length 7.6
  Top w0.1: R3#11.2 21.63,53.18 J5#12.1
  Bottom w0.1: 22.94,53.05 22.94,57.63 J8#10.3
Board_3-D-: length 8.9
  Top w0.1: J5#12.2 21.58,50.14 R4#12.2
  Bottom w0.1: 21.95,50.91 21.2,51.66 21.2,56.12 J8#10.4
Board_3-DBG_CLK: length 6.6
  Top w0.1: U1#3.24 7.59,53 6.77,52.17 6.77,50.14 6.41,49.79 6.06,49.79 5.03,48.76 J7#10.1
Board_3-DBG_DAT: length 5.4
  Top w0.1: J7#10.2 7.06,48.88 7.06,52.05 7.6,52.6 U1#3.25
Board_3-GND: length 3.2
  Top w0.1: C1#8.1 1.88,52.05 X1.4 ; C3#8.2 3.63,56.33 X1.2
  vias: v1(1.26,56.75) v1(1.25,51.6) v1(2.88,60.96) v1(4.21,56.73) v1(4.17,51.63) v1(4.8,44.3) v1(5.11,49.85) v1(9.69,56.21) v1(14.07,51.85) v1(18.63,57.15) v1(21.21,47.91)
Board_3-LED_CLK_5V: length 1.5
  Top w0.1: LED1#12.4 2.25,46.5 2.25,47.23
Board_3-LED_DATA_5V: length 1.5
  Top w0.1: 2.89,47.23 2.89,46.44 LED1#12.3
Board_3-LED_EN: length 8.9
  Top w0.1: U1#3.29 8.58,49.73 8.58,47.36 7.94,46.72 4.12,46.72 U3#4.4
Board_3-Net-(U1-GPIO26_ADC0): length 3.1
  Top w0.2: R8#12.1 11.75,47.92 12.89,49.06 U1#3.38
Board_3-Net-(U1-GPIO27_ADC1): length 2.8
  Top w0.2: R9#10.1 13.3,48.5 U1#3.39
Board_3-Net-(U1-GPIO28_ADC2): length 2.6
  Top w0.2: U1#3.40 13.69,47.99 R10#3.1
Board_3-Net-(U1-GPIO29_ADC3): length 2.8
  Top w0.2: U1#3.41 14.09,48.65 R11#5.1
Board_3-Net-(U1-USB_DM): length 5.8
  Top w0.1: U1#3.46 16.36,52.6 17.79,51.16 R4#12.1
Board_3-Net-(U1-USB_DP): length 5.8
  Top w0.1: U1#3.47 16.37,53 17.52,51.85 20.35,51.85 R3#11.1
Board_3-Net-(U4-SW): length 1.8
  Top w0.5: 22.51,46.78 22.51,45.01
Board_3-Net-(X1-OSC1): length 3.3
  Top w0.1: C1#8.2 3.63,52.03 X1.1 4.64,53.08 R1#2.1
Board_3-NS_8: length 3.6
  Top w0.2: 10.5,57.55 10.5,58.82 11.84,60.17 J10#7.1
Board_3-NS_9: length 3.1
  Top w0.2: U1#3.12 10.09,60.4 J10#7.2
Board_3-NS_10: length 3.5
  Top w0.2: J9#7.1 8.68,59.61 9.69,58.6 U1#3.13
Board_3-NS_11: length 3.5
  Top w0.2: U1#3.14 9.3,58.02 7.13,60.18
Board_3-NS_19: length 6.3
  Top w0.2: U1#3.30 9.69,49.76 9.05,49.12 9.05,46.84 8.06,45.85 J11#4.1
Board_3-NS_20: length 5.9
  Top w0.2: J11#4.2 9.47,45.01 9.47,48.98 10.09,49.6 U1#3.31
Board_3-NS_CLK: length 2.1
  Top w0.2: J3#5.2 12.71,44.96 R9#10.2
Board_3-NS_CMD: length 2.3
  Top w0.2: R10#3.2 14.42,46.25 J4#10.1
Board_3-NS_CPU: length 7.8
  Top w0.2: J2#10.2 3.74,58.05 6.39,55.4 U1#3.18
Board_3-NS_CPU_PD: length 9.9
  Top w0.2: R12#4.1 1.04,60.18 J2#10.1 2.17,59.05 3.56,59.05 6.81,55.8 8.34,55.8
Board_3-NS_D0: length 2.5
  Top w0.2: J4#10.2 15.97,45.76 R11#5.2
Board_3-NS_RST: length 2.2
  Top w0.2: J3#5.1 11.25,46.5 R8#12.2
Board_3-NS_SCL: length 5.9
  Top w0.2: U1#3.16 7.61,56.2 3.98,59.83
Board_3-NS_SDA: length 5.2
  Top w0.2: J6#4.1 5.53,59.4 8.33,56.6
Board_3-PAD_21: length 1
  Top w0.2: 10.5,50.45 10.5,49.41
Board_3-PAD_22: length 1
  Top w0.2: U1#3.34 11.3,49.41
Board_3-PAD_23: length 1
  Top w0.2: U1#3.35 11.69,49.41
Board_3-PAD_24: length 1
  Top w0.2: U1#3.36 12.09,49.41
Board_3-PAD_25: length 1
  Top w0.2: 12.5,50.45 12.5,49.41
Board_3-QSPI_CS: length 8.6
  Top w0.1: R6#2.2 20.66,58.01 U2.1 19.37,58.35 18.54,59.18 17.28,59.18 16.86,58.75 16.86,57.42 16.03,56.6 U1#3.56
Board_3-QSPI_SCK: length 3.6
  Top w0.1: U1#3.52 16.66,55 17.19,54.46 18.25,54.46 18.37,54.58 U2.6
Board_3-QSPI_SD0: length 2.6
  Top w0.1: U2.5 17.11,55 16.72,55.4 U1#3.53
Board_3-QSPI_SD1: length 6.1
  Top w0.1: U2.2 18.87,58.43 18.41,58.89 17.41,58.89 17.13,58.61 17.13,57.03 16.3,56.2 U1#3.55
Board_3-QSPI_SD2: length 5.4
  Top w0.1: U2.3 18.37,58.3 18.07,58.6 17.53,58.6 17.43,58.49 17.43,56.91 16.31,55.8 15.44,55.8
Board_3-QSPI_SD3: length 4.1
  Top w0.1: U1#3.51 16.56,54.6 16.98,54.17 18.37,54.17 18.87,54.67 U2.7
Board_3-RST: length 22.3
  Top w0.1: U1#3.26 7.61,52.2 7.56,52.14 7.56,50.77 v1(7.72,50.6) 7.91,50.42 R2#11.2
  Bottom w0.2: v1(7.72,50.6) 8.45,50.6 18.77,60.92 J8#10.1
Board_3-XIN: length 8.7
  Top w0.1: U1#3.20 4.88,54.6 4.45,54.18 2.88,54.18 1.88,55.18 ; C3#8.1 1.88,56.34 X1.3
Board_3-XOUT: length 3.5
  Top w0.1: U1#3.21 5.67,54.2 R1#2.2
Board_4-+1V1: length 25.7
  Top w0.2: C5#2.1 41.9,50.12 41.62,50.41 v1(41.62,50.41) 41.61,50.41 41.09,50.93 41.09,51.29 40.19,52.2 39.44,52.2 ; 39.44,54.2 40.21,54.2 40.91,53.5 v1(41.32,53.5) C2#8.1 ; U1#10.23 31.09,53.4 v1(30.55,52.85) 30.17,52.47 C4#8.1
  In1.Cu w0.358: v1(41.62,50.41) 41.62,51.15 40.98,51.79 40.98,53.15 v1(41.32,53.5) 31.19,53.5 v1(30.55,52.85)
Board_4-+3V3: length 42.3
  Top w0.1: v1(31.91,47.53) R2#5.1
  Top w0.2: C8#7.1 40.62,47.89 40.95,47.56 40.95,45.13 v1(41.59,44.5) ; C12#8.1 v1(35.32,58.89) 34.9,58.46 U1#10.10 ; 39.44,51.4 39.44,50.12 C9#10.1 ; v1(38.79,49.28) 38.5,49.58 U1#10.42 ; 39.44,51.8 40.04,51.8 40.46,51.38 40.46,50.79 v1(40.44,50.78) 40.74,50.49 40.74,49.87 38.78,49.87 38.5,50.16 ; 39.44,53.4 39.44,53.8 40.05,53.8 41.26,52.59 v1(41.64,52.59) 41.82,52.4 C10#2.1 ; U3#11.8 25.59,50.83 25.73,50.96 28.38,50.96 29.04,51.63 ; 29.12,51.65 29.81,52.34 29.81,53.25 v1(30.16,53.61) 30.35,53.8 32.34,53.8 ; C7#11.1 34.57,48.24 v1(34.07,48.74) 34.68,48.74 34.9,48.96 U1#10.33 ; C11.1 38.62,58.89 v1(38.5,58.77) U1#10.1 ; 44.54,55 U2#6.8
  Top w0.358: R6#12.1 C14#3.1 45.38,55.84 J8#6.5 ; L1#12.1 44.41,44.5 C15#5.1 v1(41.59,44.5)
